# Altium PCB amp.PcbDoc (part 10 of 20)
Units mm, origin at the board's own origin, x right, y up, seen from the top; angles counter-clockwise.
Board outline 210 x 210 mm, 2 copper layers (Top Layer, Bottom Layer); 742 components, 1354 nets, 6402 pads, 5154 vias.
Unrouted connection lines stored in the file: 702.
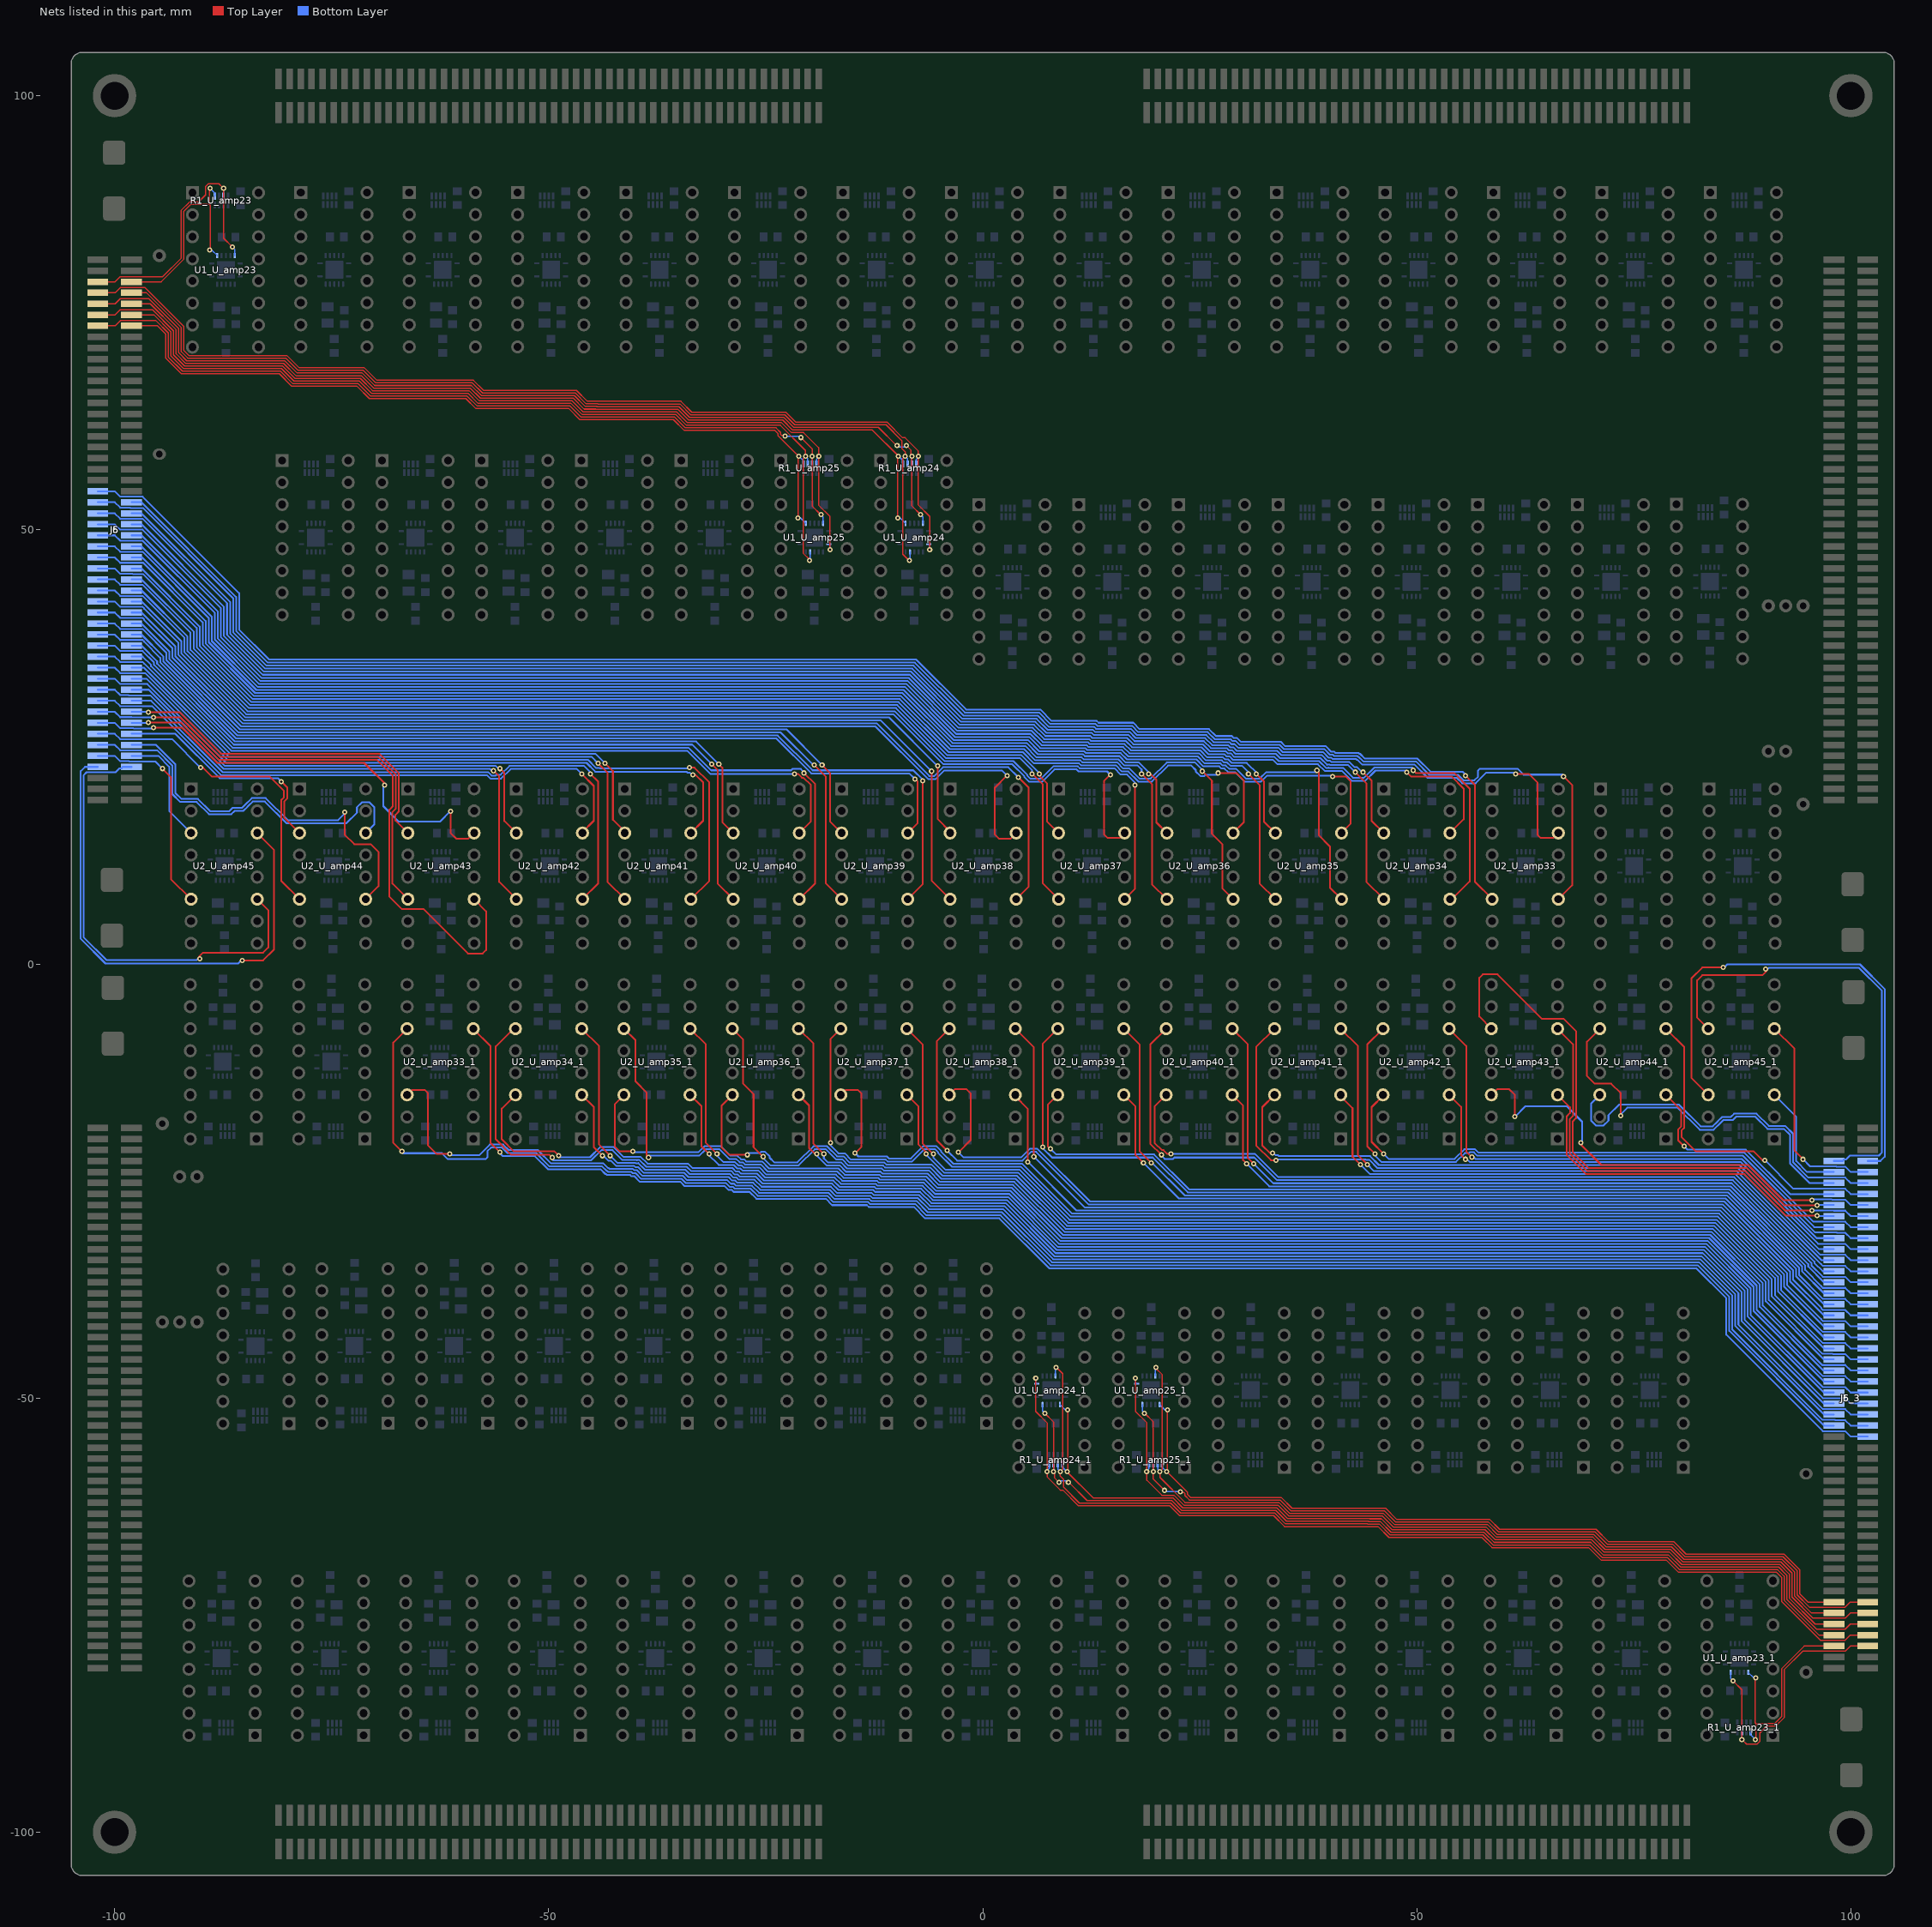
[diagram p10: the nets of this part, all layers, seen from the top]

## Via types
v1: diameter 0.6, hole 0.3, Top Layer to Bottom Layer, tented both sides, 4704 vias
v2: diameter 0.5, hole 0.3, Top Layer to Bottom Layer, 450 vias

## Nets (pads, with @x,y where several pads share a name; then routed paths per layer and width w, separated by ;. In a path a pad name is that pad's centre, name@x,y a point inside that pad or via, vN(x,y) a via of type N, cw(c..) or ccw(c..) an arc to the next point about the centre after c; other vN are vias at no path point) (continued)
NetJ5_87: J5.87 J5_3.87 R1_U_amp25.5 R1_U_amp25_1.5 U1_U_amp25.9 U1_U_amp25_1.9 | length 188.5
  Top Layer w0.15: J5.87@-98.05,73.495 -95.06,73.495 -94.116,72.551 -94.116,69.776 -92.315,67.975 -81.021,67.975 -79.583,66.537 -72.067,66.537 -70.658,65.128 -59.534,65.128 -58.368,63.961 -47.67,63.961 -46.419,62.711 -45.072,62.711 -45.052,62.691 -35.624,62.691 -34.377,61.443 -23.922,61.443 -23.58,61.101 -23.58,60.836 -21.242,58.498 v1(-21.2,58.498) -21.276,58.422 v1(-21.276,51.386) ; v1(21.276,-51.386) 21.276,-58.422 v1(21.2,-58.498) 21.242,-58.498 23.58,-60.836 23.58,-61.101 23.922,-61.443 34.377,-61.443 35.624,-62.691 45.052,-62.691 45.072,-62.711 46.419,-62.711 47.67,-63.961 58.368,-63.961 59.534,-65.128 70.658,-65.128 72.067,-66.537 79.583,-66.537 81.021,-67.975 92.315,-67.975 94.116,-69.776 94.116,-72.551 95.06,-73.495 J5_3.87@98.05,-73.495
  Bottom Layer w0.15: v1(-21.276,51.386) -21.015,51.386 U1_U_amp25.9@-20.38,50.751 ; v1(-21.2,58.498) -20.654,57.953 R1_U_amp25.5@-20.654,57.601 ; U1_U_amp25_1.9@20.38,-50.751 21.015,-51.386 v1(21.276,-51.386) ; R1_U_amp25_1.5@20.654,-57.601 20.654,-57.953 v1(21.2,-58.498)
NetJ5_88: J5.88 J5_3.88 R1_U_amp25.7 R1_U_amp25_1.7 U1_U_amp25.13 U1_U_amp25_1.13 | length 201.4
  Top Layer w0.15: J5.88@-101.95,73.495 -99.938,73.495 -99.343,74.09 -98.071,74.09 -98.069,74.092 -95.232,74.092 -93.816,72.676 -93.816,69.901 -92.19,68.275 -80.897,68.275 -79.459,66.837 -71.943,66.837 -70.534,65.428 -59.41,65.428 -58.244,64.261 -47.545,64.261 -46.295,63.011 -44.947,63.011 -44.927,62.991 -35.5,62.991 -34.253,61.743 -23.797,61.743 -23.28,61.226 -23.28,60.999 -23.139,60.858 -22.708,60.858 v1(-22.784,60.782) ; v1(-20.93,60.63) -19.65,59.35 v1(-19.65,58.498) -19.65,52.758 v1(-18.634,51.742) ; v1(18.634,-51.742) 19.65,-52.758 v1(19.65,-58.498) 19.65,-59.35 v1(20.93,-60.63) ; v1(22.784,-60.782) 22.708,-60.858 23.139,-60.858 23.28,-60.999 23.28,-61.226 23.797,-61.743 34.253,-61.743 35.5,-62.991 44.927,-62.991 44.947,-63.011 46.295,-63.011 47.545,-64.261 58.244,-64.261 59.41,-65.428 70.534,-65.428 71.943,-66.837 79.459,-66.837 80.897,-68.275 92.19,-68.275 93.816,-69.901 93.816,-72.676 95.232,-74.092 98.069,-74.092 98.071,-74.09 99.343,-74.09 99.938,-73.495 J5_3.88@101.95,-73.495
  Bottom Layer w0.15: v1(-22.784,60.782) -20.93,60.782 v1(-20.93,60.63) ; R1_U_amp25.7@-19.654,57.601 -19.654,58.494 v1(-19.65,58.498) ; v1(-18.634,51.742) -18.38,51.488 U1_U_amp25.13@-18.38,50.751 ; U1_U_amp25_1.13@18.38,-50.751 18.38,-51.488 v1(18.634,-51.742) ; v1(19.65,-58.498) 19.654,-58.494 R1_U_amp25_1.7@19.654,-57.601 ; v1(20.93,-60.63) 20.93,-60.782 v1(22.784,-60.782)
NetJ5_89: J5.89 J5_3.89 R1_U_amp25.6 R1_U_amp25_1.6 U1_U_amp25.5 U1_U_amp25_1.5 | length 201.7
  Top Layer w0.15: J5.89@-98.05,74.765 -95.481,74.765 -93.516,72.8 -93.516,70.025 -92.066,68.575 -80.773,68.575 -79.335,67.137 -71.819,67.137 -70.41,65.728 -59.285,65.728 -58.119,64.561 -47.421,64.561 -46.17,63.311 -44.823,63.311 -44.803,63.291 -35.376,63.291 -34.129,62.043 -23.302,62.043 -20.412,59.153 v1(-20.412,58.498) -20.692,58.219 -20.692,47.327 -19.955,46.59 v1(-19.955,46.484) v1@-19.955,46.459 ; v1@19.955,-46.459 v1(19.955,-46.484) 19.955,-46.59 20.692,-47.327 20.692,-58.219 v1(20.412,-58.498) 20.412,-59.153 23.302,-62.043 34.129,-62.043 35.376,-63.291 44.803,-63.291 44.823,-63.311 46.17,-63.311 47.421,-64.561 58.119,-64.561 59.285,-65.728 70.41,-65.728 71.819,-67.137 79.335,-67.137 80.773,-68.575 92.066,-68.575 93.516,-70.025 93.516,-72.8 95.481,-74.765 J5_3.89@98.05,-74.765
  Bottom Layer w0.15: v1(-20.412,58.498) -20.154,58.24 R1_U_amp25.6@-20.154,57.601 ; v1(-19.955,46.484) -19.88,46.559 U1_U_amp25.5@-19.88,47.451 ; U1_U_amp25_1.5@19.88,-47.451 19.88,-46.559 v1(19.955,-46.484) ; R1_U_amp25_1.6@20.154,-57.601 20.154,-58.24 v1(20.412,-58.498)
NetJ5_90: J5.90 J5_3.90 R1_U_amp25.8 R1_U_amp25_1.8 U1_U_amp25.1 U1_U_amp25_1.1 | length 211
  Top Layer w0.15: J5.90@-101.95,74.765 -99.938,74.765 -99.343,75.36 -95.652,75.36 -93.216,72.924 -93.216,70.149 -91.942,68.875 -80.648,68.875 -79.21,67.437 -71.695,67.437 -70.285,66.028 -59.161,66.028 -57.995,64.861 -47.297,64.861 -46.046,63.611 -44.699,63.611 -44.679,63.591 -35.252,63.591 -34.004,62.343 -23.173,62.343 -22.032,61.202 -20.638,61.202 -18.904,59.468 -18.904,52.859 -17.593,51.548 v1(-17.593,47.703) ; v1(17.593,-47.703) 17.593,-51.548 18.904,-52.859 18.904,-59.468 20.638,-61.202 22.032,-61.202 23.173,-62.343 34.004,-62.343 35.252,-63.591 44.679,-63.591 44.699,-63.611 46.046,-63.611 47.297,-64.861 57.995,-64.861 59.161,-66.028 70.285,-66.028 71.695,-67.437 79.21,-67.437 80.648,-68.875 91.942,-68.875 93.216,-70.149 93.216,-72.924 95.652,-75.36 99.343,-75.36 99.938,-74.765 J5_3.90@101.95,-74.765
  Bottom Layer w0.15: R1_U_amp25.8@-19.154,57.601 -19.154,58.105 -18.888,58.371 v1(-18.888,58.498) ; U1_U_amp25.1@-17.73,48.351 -17.593,48.214 v1(-17.593,47.703) ; v1(17.593,-47.703) 17.593,-48.214 U1_U_amp25_1.1@17.73,-48.351 ; v1(18.888,-58.498) 18.888,-58.371 19.154,-58.105 R1_U_amp25_1.8@19.154,-57.601
NetJ5_91: J5.91 J5_3.91 R1_U_amp24.5 R1_U_amp24_1.5 U1_U_amp24.9 U1_U_amp24_1.9 | length 213.3
  Top Layer w0.15: J5.91@-98.05,76.035 -95.898,76.035 -92.916,73.053 -92.916,70.273 -91.818,69.175 -80.524,69.175 -79.11,67.761 -71.594,67.761 -70.161,66.328 -59.037,66.328 -57.871,65.161 -47.173,65.161 -45.922,63.911 -44.575,63.911 -44.555,63.891 -35.127,63.891 -33.88,62.643 -23.049,62.643 -21.908,61.502 -12.713,61.502 v1(-9.709,58.498) -9.786,58.422 v1(-9.786,51.386) ; v1(9.786,-51.386) 9.786,-58.422 v1(9.709,-58.498) 12.713,-61.502 21.908,-61.502 23.049,-62.643 33.88,-62.643 35.127,-63.891 44.555,-63.891 44.575,-63.911 45.922,-63.911 47.173,-65.161 57.871,-65.161 59.037,-66.328 70.161,-66.328 71.594,-67.761 79.11,-67.761 80.524,-69.175 91.818,-69.175 92.916,-70.273 92.916,-73.053 95.898,-76.035 J5_3.91@98.05,-76.035
  Bottom Layer w0.15: v1(-9.786,51.386) -9.525,51.386 U1_U_amp24.9@-8.89,50.751 ; v1(-9.709,58.498) -9.164,57.953 R1_U_amp24.5@-9.164,57.601 ; U1_U_amp24_1.9@8.89,-50.751 9.525,-51.386 v1(9.786,-51.386) ; R1_U_amp24_1.5@9.164,-57.601 9.164,-57.953 v1(9.709,-58.498)
NetJ5_92: J5.92 J5_3.92 R1_U_amp24.7 R1_U_amp24_1.7 U1_U_amp24.13 U1_U_amp24_1.13 | length 225.8
  Top Layer w0.15: J5.92@-101.95,76.035 -99.938,76.035 -99.343,76.63 -96.069,76.63 -92.616,73.178 -92.616,70.398 -91.693,69.475 -80.4,69.475 -78.986,68.061 -71.47,68.061 -70.037,66.628 -58.913,66.628 -57.746,65.461 -47.048,65.461 -45.798,64.211 -44.45,64.211 -44.43,64.191 -35.003,64.191 -33.756,62.943 -22.925,62.943 -21.784,61.802 -12.018,61.802 -9.931,59.715 v1(-9.855,59.715) ; v1(-8.788,59.715) -8.255,59.182 v1@-8.255,58.42 ; v1@-8.153,58.42 -8.153,52.764 -8.16,52.758 v1(-7.144,51.742) ; v1(7.144,-51.742) 8.16,-52.758 8.153,-52.764 v1@8.153,-58.42 ; v1@8.255,-58.42 8.255,-59.182 v1(8.788,-59.715) ; v1(9.855,-59.715) 9.931,-59.715 12.018,-61.802 21.784,-61.802 22.925,-62.943 33.756,-62.943 35.003,-64.191 44.43,-64.191 44.45,-64.211 45.798,-64.211 47.048,-65.461 57.746,-65.461 58.913,-66.628 70.037,-66.628 71.47,-68.061 78.986,-68.061 80.4,-69.475 91.693,-69.475 92.616,-70.398 92.616,-73.178 96.069,-76.63 99.343,-76.63 99.938,-76.035 J5_3.92@101.95,-76.035
  Bottom Layer w0.15: v1(-9.855,59.715) -9.703,59.563 -8.763,59.563 -8.788,59.588 v1(-8.788,59.715) ; R1_U_amp24.7@-8.164,57.601 -8.164,58.494 -8.162,58.496 v1(-8.153,58.496) ; v1(-7.144,51.742) -6.89,51.488 U1_U_amp24.13@-6.89,50.751 ; U1_U_amp24_1.13@6.89,-50.751 6.89,-51.488 v1(7.144,-51.742) ; v1(8.153,-58.496) 8.162,-58.496 8.164,-58.494 R1_U_amp24_1.7@8.164,-57.601 ; v1(8.788,-59.715) 8.788,-59.588 8.763,-59.563 9.703,-59.563 v1(9.855,-59.715)
NetJ5_93: J5.93 J5_3.93 R1_U_amp24.6 R1_U_amp24_1.6 U1_U_amp24.5 U1_U_amp24_1.5 | length 227.6
  Top Layer w0.15: J5.93@-98.05,77.305 -96.319,77.305 -92.316,73.302 -92.316,70.522 -91.569,69.775 -80.276,69.775 -78.862,68.361 -71.346,68.361 -69.913,66.928 -58.788,66.928 -57.622,65.761 -46.924,65.761 -45.673,64.511 -44.326,64.511 -44.306,64.491 -34.879,64.491 -33.632,63.243 -22.8,63.243 -21.659,62.102 -11.147,62.102 -9.33,60.286 -9.33,59.388 -8.922,58.98 v1(-8.922,58.498) -9.201,58.219 -9.201,47.195 v1@-8.465,46.459 ; v1@8.465,-46.459 9.201,-47.195 9.201,-58.219 v1(8.922,-58.498) 8.922,-58.98 9.33,-59.388 9.33,-60.286 11.147,-62.102 21.659,-62.102 22.8,-63.243 33.632,-63.243 34.879,-64.491 44.306,-64.491 44.326,-64.511 45.673,-64.511 46.924,-65.761 57.622,-65.761 58.788,-66.928 69.913,-66.928 71.346,-68.361 78.862,-68.361 80.276,-69.775 91.569,-69.775 92.316,-70.522 92.316,-73.302 96.319,-77.305 J5_3.93@98.05,-77.305
  Bottom Layer w0.15: v1(-8.922,58.498) -8.664,58.24 R1_U_amp24.6@-8.664,57.601 ; v1(-8.465,46.484) -8.39,46.559 U1_U_amp24.5@-8.39,47.451 ; U1_U_amp24_1.5@8.39,-47.451 8.39,-46.559 v1(8.465,-46.484) ; R1_U_amp24_1.6@8.664,-57.601 8.664,-58.24 v1(8.922,-58.498)
NetJ5_94: J5.94 J5_3.94 R1_U_amp24.8 R1_U_amp24_1.8 U1_U_amp24.1 U1_U_amp24_1.1 | length 235.7
  Top Layer w0.15: J5.94@-101.95,77.305 -99.938,77.305 -99.343,77.9 -96.49,77.9 -92.016,73.426 -92.016,70.646 -91.445,70.075 -80.151,70.075 -78.737,68.661 -71.222,68.661 -69.788,67.228 -58.664,67.228 -57.498,66.061 -46.8,66.061 -45.549,64.811 -44.202,64.811 -44.193,64.802 -34.766,64.802 -33.507,63.543 -22.676,63.543 -21.535,62.402 -11.022,62.402 -9.229,60.608 -8.939,60.608 -7.414,59.083 -7.414,52.859 -6.103,51.548 v1(-6.103,47.703) ; v1(6.103,-47.703) 6.103,-51.548 7.414,-52.859 7.414,-59.083 8.939,-60.608 9.229,-60.608 11.022,-62.402 21.535,-62.402 22.676,-63.543 33.507,-63.543 34.766,-64.802 44.193,-64.802 44.202,-64.811 45.549,-64.811 46.8,-66.061 57.498,-66.061 58.664,-67.228 69.788,-67.228 71.222,-68.661 78.737,-68.661 80.151,-70.075 91.445,-70.075 92.016,-70.646 92.016,-73.426 96.49,-77.9 99.343,-77.9 99.938,-77.305 J5_3.94@101.95,-77.305
  Bottom Layer w0.15: R1_U_amp24.8@-7.664,57.601 -7.664,58.105 -7.398,58.371 v1(-7.398,58.498) ; U1_U_amp24.1@-6.24,48.351 -6.103,48.214 v1(-6.103,47.703) ; v1(6.103,-47.703) 6.103,-48.214 U1_U_amp24_1.1@6.24,-48.351 ; v1(7.398,-58.498) 7.398,-58.371 7.664,-58.105 R1_U_amp24_1.8@7.664,-57.601
NetJ5_95: J5.95 J5_3.95 R1_U_amp23.5 R1_U_amp23_1.5 U1_U_amp23.9 U1_U_amp23_1.9 | length 50.8
  Top Layer w0.15: J5.95@-98.05,78.575 -94.625,78.575 -92.016,81.184 -92.016,86.694 -91.21,87.5 -89.07,87.5 ; v1(-89.07,82.22) -88.975,82.315 -88.975,87.405 -89.07,87.5 ; v1(-88.994,89.332) -89.07,89.256 -89.07,87.5 ; v1(88.994,-89.332) 89.07,-89.256 89.07,-87.5 ; v1(89.07,-82.22) 88.975,-82.315 88.975,-87.405 89.07,-87.5 ; J5_3.95@98.05,-78.575 94.625,-78.575 92.016,-81.184 92.016,-86.694 91.21,-87.5 89.07,-87.5
  Bottom Layer w0.15: v1(-89.07,82.22) -88.809,82.22 U1_U_amp23.9@-88.174,81.585 ; v1(-88.994,89.332) -88.448,88.787 R1_U_amp23.5@-88.448,88.435 ; U1_U_amp23_1.9@88.174,-81.585 88.809,-82.22 v1(89.07,-82.22) ; R1_U_amp23_1.5@88.448,-88.435 88.448,-88.787 v1(88.994,-89.332)
NetJ5_96: J5.96 J5_3.96 R1_U_amp23.7 R1_U_amp23_1.7 U1_U_amp23.13 U1_U_amp23_1.13 | length 64.3
  Top Layer w0.15: J5.96@-101.95,78.575 -99.938,78.575 -99.343,79.17 -94.454,79.17 -92.316,81.308 -92.316,86.818 -91.334,87.8 -90.253,87.8 -90.066,87.987 -90.066,88.034 -89.519,88.581 -89.519,89.549 -89.211,89.857 -87.989,89.857 v1@-87.632,89.5 ; v1(-87.444,89.332) -87.444,83.592 v1(-86.428,82.576) ; v1(86.428,-82.576) 87.444,-83.592 v1(87.444,-89.332) ; v1@87.632,-89.5 87.989,-89.857 89.211,-89.857 89.519,-89.549 89.519,-88.581 90.066,-88.034 90.066,-87.987 90.253,-87.8 91.334,-87.8 92.316,-86.818 92.316,-81.308 94.454,-79.17 99.343,-79.17 99.938,-78.575 J5_3.96@101.95,-78.575
  Bottom Layer w0.15: R1_U_amp23.7@-87.448,88.435 -87.448,89.328 v1(-87.444,89.332) ; v1(-86.428,82.576) -86.174,82.322 U1_U_amp23.13@-86.174,81.585 ; U1_U_amp23_1.13@86.174,-81.585 86.174,-82.322 v1(86.428,-82.576) ; v1(87.444,-89.332) 87.448,-89.328 R1_U_amp23_1.7@87.448,-88.435
NetJ6_7: J6.7 J6_3.7 U2_U_amp45.14 U2_U_amp45_1.14 | length 119.6
  Top Layer w0.2: v1(-85.3,0.4) -82.881,0.4 -81.65,1.631 -81.65,13.158 U2_U_amp45.14@-83.575,15.083 ; U2_U_amp45_1.14@83.575,-15.083 81.65,-13.158 81.65,-1.631 82.881,-0.4 v1(85.3,-0.4)
  Bottom Layer w0.2: J6.7@-101.95,22.695 -103.405,22.695 -103.9,22.2 -103.9,2.9 -101.05,0.05 -85.75,0.05 -85.4,0.4 v1(-85.3,0.4) ; v1(85.3,-0.4) 85.4,-0.4 85.75,-0.05 101.05,-0.05 103.9,-2.9 103.9,-22.2 103.405,-22.695 J6_3.7@101.95,-22.695
NetJ6_8: J6.8 J6_3.8 U2_U_amp45.11 U2_U_amp45_1.11 | length 107.9
  Top Layer w0.2: v1(-90.2,0.6) -90.2,0.7 -90.3,0.8 -89.8,1.3 -82.9,1.3 -82.3,1.9 -82.3,6.188 U2_U_amp45.11@-83.575,7.463 ; U2_U_amp45_1.11@83.575,-7.463 82.3,-6.188 82.3,-1.9 82.9,-1.3 89.8,-1.3 90.3,-0.8 90.2,-0.7 v1(90.2,-0.6)
  Bottom Layer w0.2: J6.8@-98.05,22.695 -99.055,22.695 -99.228,22.522 -99.45,22.522 -99.897,22.075 -103.224,22.075 -103.55,21.749 -103.55,3.045 -100.955,0.45 -90.55,0.45 -90.3,0.7 v1(-90.2,0.6) ; v1(90.2,-0.6) 90.3,-0.7 90.55,-0.45 100.955,-0.45 103.55,-3.045 103.55,-21.749 103.224,-22.075 99.897,-22.075 99.45,-22.522 99.228,-22.522 99.055,-22.695 J6_3.8@98.05,-22.695
NetJ6_9: J6.9 J6_3.9 U2_U_amp45.6 U2_U_amp45_1.6 | length 48.9
  Top Layer w0.2: v1(-94.5,22.5) -93.5,21.5 -93.5,9.768 U2_U_amp45.6@-91.195,7.463 ; U2_U_amp45_1.6@91.195,-7.463 93.5,-9.768 93.5,-21.5 v1(94.5,-22.5)
  Bottom Layer w0.2: J6.9@-101.95,23.965 -99.974,23.965 -99.354,23.345 -98.33,23.345 -98.3,23.315 -95.315,23.315 v1(-94.5,22.5) ; v1(94.5,-22.5) 95.315,-23.315 98.3,-23.315 98.33,-23.345 99.354,-23.345 99.974,-23.965 J6_3.9@101.95,-23.965
NetJ6_10: J6.10 J6_3.10 U2_U_amp45.3 U2_U_amp45_1.3 | length 27.1
  Bottom Layer w0.2: J6.10@-98.05,23.965 -94.965,23.965 -93.7,22.7 -93.7,17.588 U2_U_amp45.3@-91.195,15.083 ; U2_U_amp45_1.3@91.195,-15.083 93.7,-17.588 93.7,-22.7 94.965,-23.965 J6_3.10@98.05,-23.965
NetJ6_11: J6.11 J6_3.11 U2_U_amp44.14 U2_U_amp44_1.14 | length 87.4
  Bottom Layer w0.2: J6.11@-101.95,25.235 -99.974,25.235 -99.354,24.615 -95.11,24.615 -93.35,22.855 -93.35,19.555 -92.445,18.65 -90.545,18.65 -89.145,17.25 -86.55,17.25 -86.171,17.629 -85.172,17.629 -84.7,18.101 -84.7,18.105 -84.58,18.225 -84.575,18.225 -84.1,18.7 -82.695,18.7 -80.195,16.2 -73.3,16.2 -72.085,17.415 -72.085,18.037 -71.499,18.623 -70.67,18.623 -70.085,18.037 -70.085,16.083 U2_U_amp44.14@-71.085,15.083 ; U2_U_amp44_1.14@71.085,-15.083 70.085,-16.083 70.085,-18.037 70.67,-18.623 71.499,-18.623 72.085,-18.037 72.085,-17.415 73.3,-16.2 80.195,-16.2 82.695,-18.7 84.1,-18.7 84.575,-18.225 84.58,-18.225 84.7,-18.105 84.7,-18.101 85.172,-17.629 86.171,-17.629 86.55,-17.25 89.145,-17.25 90.545,-18.65 92.445,-18.65 93.35,-19.555 93.35,-22.855 95.11,-24.615 99.354,-24.615 99.974,-25.235 J6_3.11@101.95,-25.235
NetJ6_12: J6.12 J6_3.12 U2_U_amp44.11 U2_U_amp44_1.11 | length 90.4
  Top Layer w0.2: v1(-73.5,17.5) -73.5,14.9 -72.4,13.8 -70.5,13.8 -69.6,12.9 -69.6,8.948 U2_U_amp44.11@-71.085,7.463 ; U2_U_amp44_1.11@71.085,-7.463 69.6,-8.948 69.6,-12.9 70.5,-13.8 72.4,-13.8 73.5,-14.9 v1(73.5,-17.5)
  Bottom Layer w0.2: J6.12@-98.05,25.235 -95.235,25.235 -93,23 -93,19.7 -92.3,19 -90.4,19 -89,17.6 -86.778,17.6 -86.398,17.979 -85.321,17.979 -85.2,18.1 -85.196,18.1 -85.05,18.246 -85.05,18.25 -84.2,19.1 -82.6,19.1 -80.05,16.55 -74.25,16.55 -73.5,17.3 v1(-73.5,17.5) ; v1(73.5,-17.5) 73.5,-17.3 74.25,-16.55 80.05,-16.55 82.6,-19.1 84.2,-19.1 85.05,-18.25 85.05,-18.246 85.196,-18.1 85.2,-18.1 85.321,-17.979 86.398,-17.979 86.778,-17.6 89,-17.6 90.4,-19 92.3,-19 93,-19.7 93,-23 95.235,-25.235 J6_3.12@98.05,-25.235
NetJ6_13: J6.13 J6_3.13 U2_U_amp44.6 U2_U_amp44_1.6 | length 75.3
  Top Layer w0.2: v1(-90.1,22.6) -89.808,22.6 -88.808,21.6 -82.178,21.6 -80.5,19.922 -80.5,19.173 -80.8,18.873 -80.8,9.559 U2_U_amp44.6@-78.705,7.463 ; U2_U_amp44_1.6@78.705,-7.463 80.8,-9.559 80.8,-18.873 80.5,-19.173 80.5,-19.922 82.178,-21.6 88.808,-21.6 89.808,-22.6 v1(90.1,-22.6)
  Bottom Layer w0.2: J6.13@-101.95,26.505 -99.974,26.505 -99.354,25.885 -93.385,25.885 v1(-90.1,22.6) ; v1(90.1,-22.6) 93.385,-25.885 99.354,-25.885 99.974,-26.505 J6_3.13@101.95,-26.505
NetJ6_14: J6.14 J6_3.14 U2_U_amp44.3 U2_U_amp44_1.3 | length 53.2
  Top Layer w0.2: v1(-80.8,21) -80.1,20.3 -80.1,19.078 -80.45,18.728 -80.45,16.829 U2_U_amp44.3@-78.705,15.083 ; U2_U_amp44_1.3@78.705,-15.083 80.45,-16.829 80.45,-18.728 80.1,-19.078 80.1,-20.3 v1(80.8,-21)
  Bottom Layer w0.2: J6.14@-98.05,26.505 -93,26.505 -87.895,21.4 -81.2,21.4 v1(-80.8,21) ; v1(80.8,-21) 81.2,-21.4 87.895,-21.4 93,-26.505 J6_3.14@98.05,-26.505
NetJ6_15: J6.15 J6_3.15 U2_U_amp43.14 U2_U_amp43_1.14 | length 107.5
  Top Layer w0.2: v1(-95.5,27.2) -92.209,27.2 -88.175,23.166 -71.266,23.166 -68.7,20.6 v1(-68.9,20.6) ; v1(-61.3,17.6) -61.3,15.1 -60.6,14.4 -59.278,14.4 U2_U_amp43.14@-58.594,15.083 ; U2_U_amp43_1.14@58.594,-15.083 59.278,-14.4 60.6,-14.4 61.3,-15.1 v1(61.3,-17.6) ; v1(68.9,-20.6) 68.7,-20.6 71.266,-23.166 88.175,-23.166 92.209,-27.2 v1(95.5,-27.2)
  Bottom Layer w0.2: J6.15@-101.95,27.775 -99.974,27.775 -99.354,27.155 -97.83,27.155 -97.8,27.125 -95.575,27.125 v1(-95.5,27.2) ; v1(-68.9,20.6) -69.05,20.45 -69.05,18.172 -67.278,16.4 -62.5,16.4 v1(-61.3,17.6) ; v1(61.3,-17.6) 62.5,-16.4 67.278,-16.4 69.05,-18.172 69.05,-20.45 v1(68.9,-20.6) ; v1(95.5,-27.2) 95.575,-27.125 97.8,-27.125 97.83,-27.155 99.354,-27.155 99.974,-27.775 J6_3.15@101.95,-27.775
NetJ6_16: J6.16 J6_3.16 U2_U_amp43.11 U2_U_amp43_1.11 | length 134.4
  Top Layer w0.2: v1(-96.1,27.8) -92.314,27.8 -88.03,23.516 -69.811,23.516 -67.95,21.655 -67.95,18.172 -68.35,17.772 -68.35,7.75 -66.9,6.3 -64.4,6.3 -59.3,1.2 -57.6,1.2 -57.2,1.6 -57.2,6.069 U2_U_amp43.11@-58.594,7.463 ; U2_U_amp43_1.11@58.594,-7.463 57.2,-6.069 57.2,-1.6 57.6,-1.2 59.3,-1.2 64.4,-6.3 66.9,-6.3 68.35,-7.75 68.35,-17.772 67.95,-18.172 67.95,-21.655 69.811,-23.516 88.03,-23.516 92.314,-27.8 v1(96.1,-27.8)
  Bottom Layer w0.2: J6.16@-98.05,27.775 -96.225,27.775 -96.2,27.8 v1(-96.1,27.8) ; v1(96.1,-27.8) 96.2,-27.8 96.225,-27.775 J6_3.16@98.05,-27.775
NetJ6_17: J6.17 J6_3.17 U2_U_amp43.6 U2_U_amp43_1.6 | length 105.2
  Top Layer w0.2: v1(-95.5,28.4) -92.419,28.4 -87.885,23.866 -69.666,23.866 -67.6,21.8 -67.6,17.9 -68,17.5 -68,9.249 U2_U_amp43.6@-66.214,7.463 ; U2_U_amp43_1.6@66.214,-7.463 68,-9.249 68,-17.5 67.6,-17.9 67.6,-21.8 69.666,-23.866 87.885,-23.866 92.419,-28.4 v1(95.5,-28.4)
  Bottom Layer w0.2: J6.17@-101.95,29.045 -99.974,29.045 -99.354,28.425 -98.025,28.425 -98,28.4 v1(-95.5,28.4) ; v1(95.5,-28.4) 98,-28.4 98.025,-28.425 99.354,-28.425 99.974,-29.045 J6_3.17@101.95,-29.045
NetJ6_18: J6.18 J6_3.18 U2_U_amp43.3 U2_U_amp43_1.3 | length 83.1
  Top Layer w0.2: v1(-96.1,29) -92.524,29 -87.74,24.216 -69.521,24.216 -67.25,21.945 -67.25,17.582 -67.65,17.182 -67.65,16.519 U2_U_amp43.3@-66.214,15.083 ; U2_U_amp43_1.3@66.214,-15.083 67.65,-16.519 67.65,-17.182 67.25,-17.582 67.25,-21.945 69.521,-24.216 87.74,-24.216 92.524,-29 v1(96.1,-29)
  Bottom Layer w0.2: J6.18@-98.05,29.045 -96.045,29.045 -96,29 v1(-96.1,29) ; v1(96.1,-29) 96,-29 96.045,-29.045 J6_3.18@98.05,-29.045
NetJ6_19: J6.19 J6_3.19 U2_U_amp42.14 U2_U_amp42_1.14 | length 136.2
  Top Layer w0.2: v1(-46.2,21.9) -44.8,20.5 -44.8,16.5 -46.104,15.196 U2_U_amp42.14@-46.104,15.083 ; U2_U_amp42_1.14@46.104,-15.083 46.104,-15.196 44.8,-16.5 44.8,-20.5 v1(46.2,-21.9)
  Bottom Layer w0.2: J6.19@-101.95,30.315 -99.974,30.315 -99.354,29.695 -95.695,29.695 -87.75,21.75 -57.123,21.75 -56.723,21.35 -55.477,21.35 -54.364,22.464 -46.764,22.464 v1(-46.2,21.9) ; v1(46.2,-21.9) 46.764,-22.464 54.364,-22.464 55.477,-21.35 56.723,-21.35 57.123,-21.75 87.75,-21.75 95.695,-29.695 99.354,-29.695 99.974,-30.315 J6_3.19@101.95,-30.315
NetJ6_20: J6.20 J6_3.20 U2_U_amp42.11 U2_U_amp42_1.11 | length 145.9
  Top Layer w0.2: U2_U_amp42.11@-46.104,7.463 -44.3,9.267 -44.3,21 v1(-45.2,21.9) ; v1(45.2,-21.9) 44.3,-21 44.3,-9.267 U2_U_amp42_1.11@46.104,-7.463
  Bottom Layer w0.2: J6.20@-98.05,30.315 -95.784,30.315 -87.569,22.1 -56.978,22.1 -56.578,21.7 -56.122,21.7 -56.022,21.8 -55.522,21.8 -54.509,22.814 -45.914,22.814 -45.2,22.1 v1(-45.2,21.9) ; v1(45.2,-21.9) 45.2,-22.1 45.914,-22.814 54.509,-22.814 55.522,-21.8 56.022,-21.8 56.122,-21.7 56.578,-21.7 56.978,-22.1 87.569,-22.1 95.784,-30.315 J6_3.20@98.05,-30.315
NetJ6_21: J6.21 J6_3.21 U2_U_amp42.6 U2_U_amp42_1.6 | length 130.8
  Top Layer w0.2: v1(-56.35,22.25) -55.7,21.6 -55.7,9.439 U2_U_amp42.6@-53.724,7.463 ; U2_U_amp42_1.6@53.724,-7.463 55.7,-9.439 55.7,-21.6 v1(56.35,-22.25)
  Bottom Layer w0.2: J6.21@-101.95,31.585 -99.974,31.585 -99.354,30.965 -98.43,30.965 -98.4,30.935 -95.909,30.935 -87.424,22.45 -56.75,22.45 -56.5,22.2 -56.4,22.2 v1(-56.35,22.25) ; v1(56.35,-22.25) 56.4,-22.2 56.5,-22.2 56.75,-22.45 87.424,-22.45 95.909,-30.935 98.4,-30.935 98.43,-30.965 99.354,-30.965 99.974,-31.585 J6_3.21@101.95,-31.585